# Altium PCB RS2-708_V009.PcbDoc (part 1 of 4) (continued)
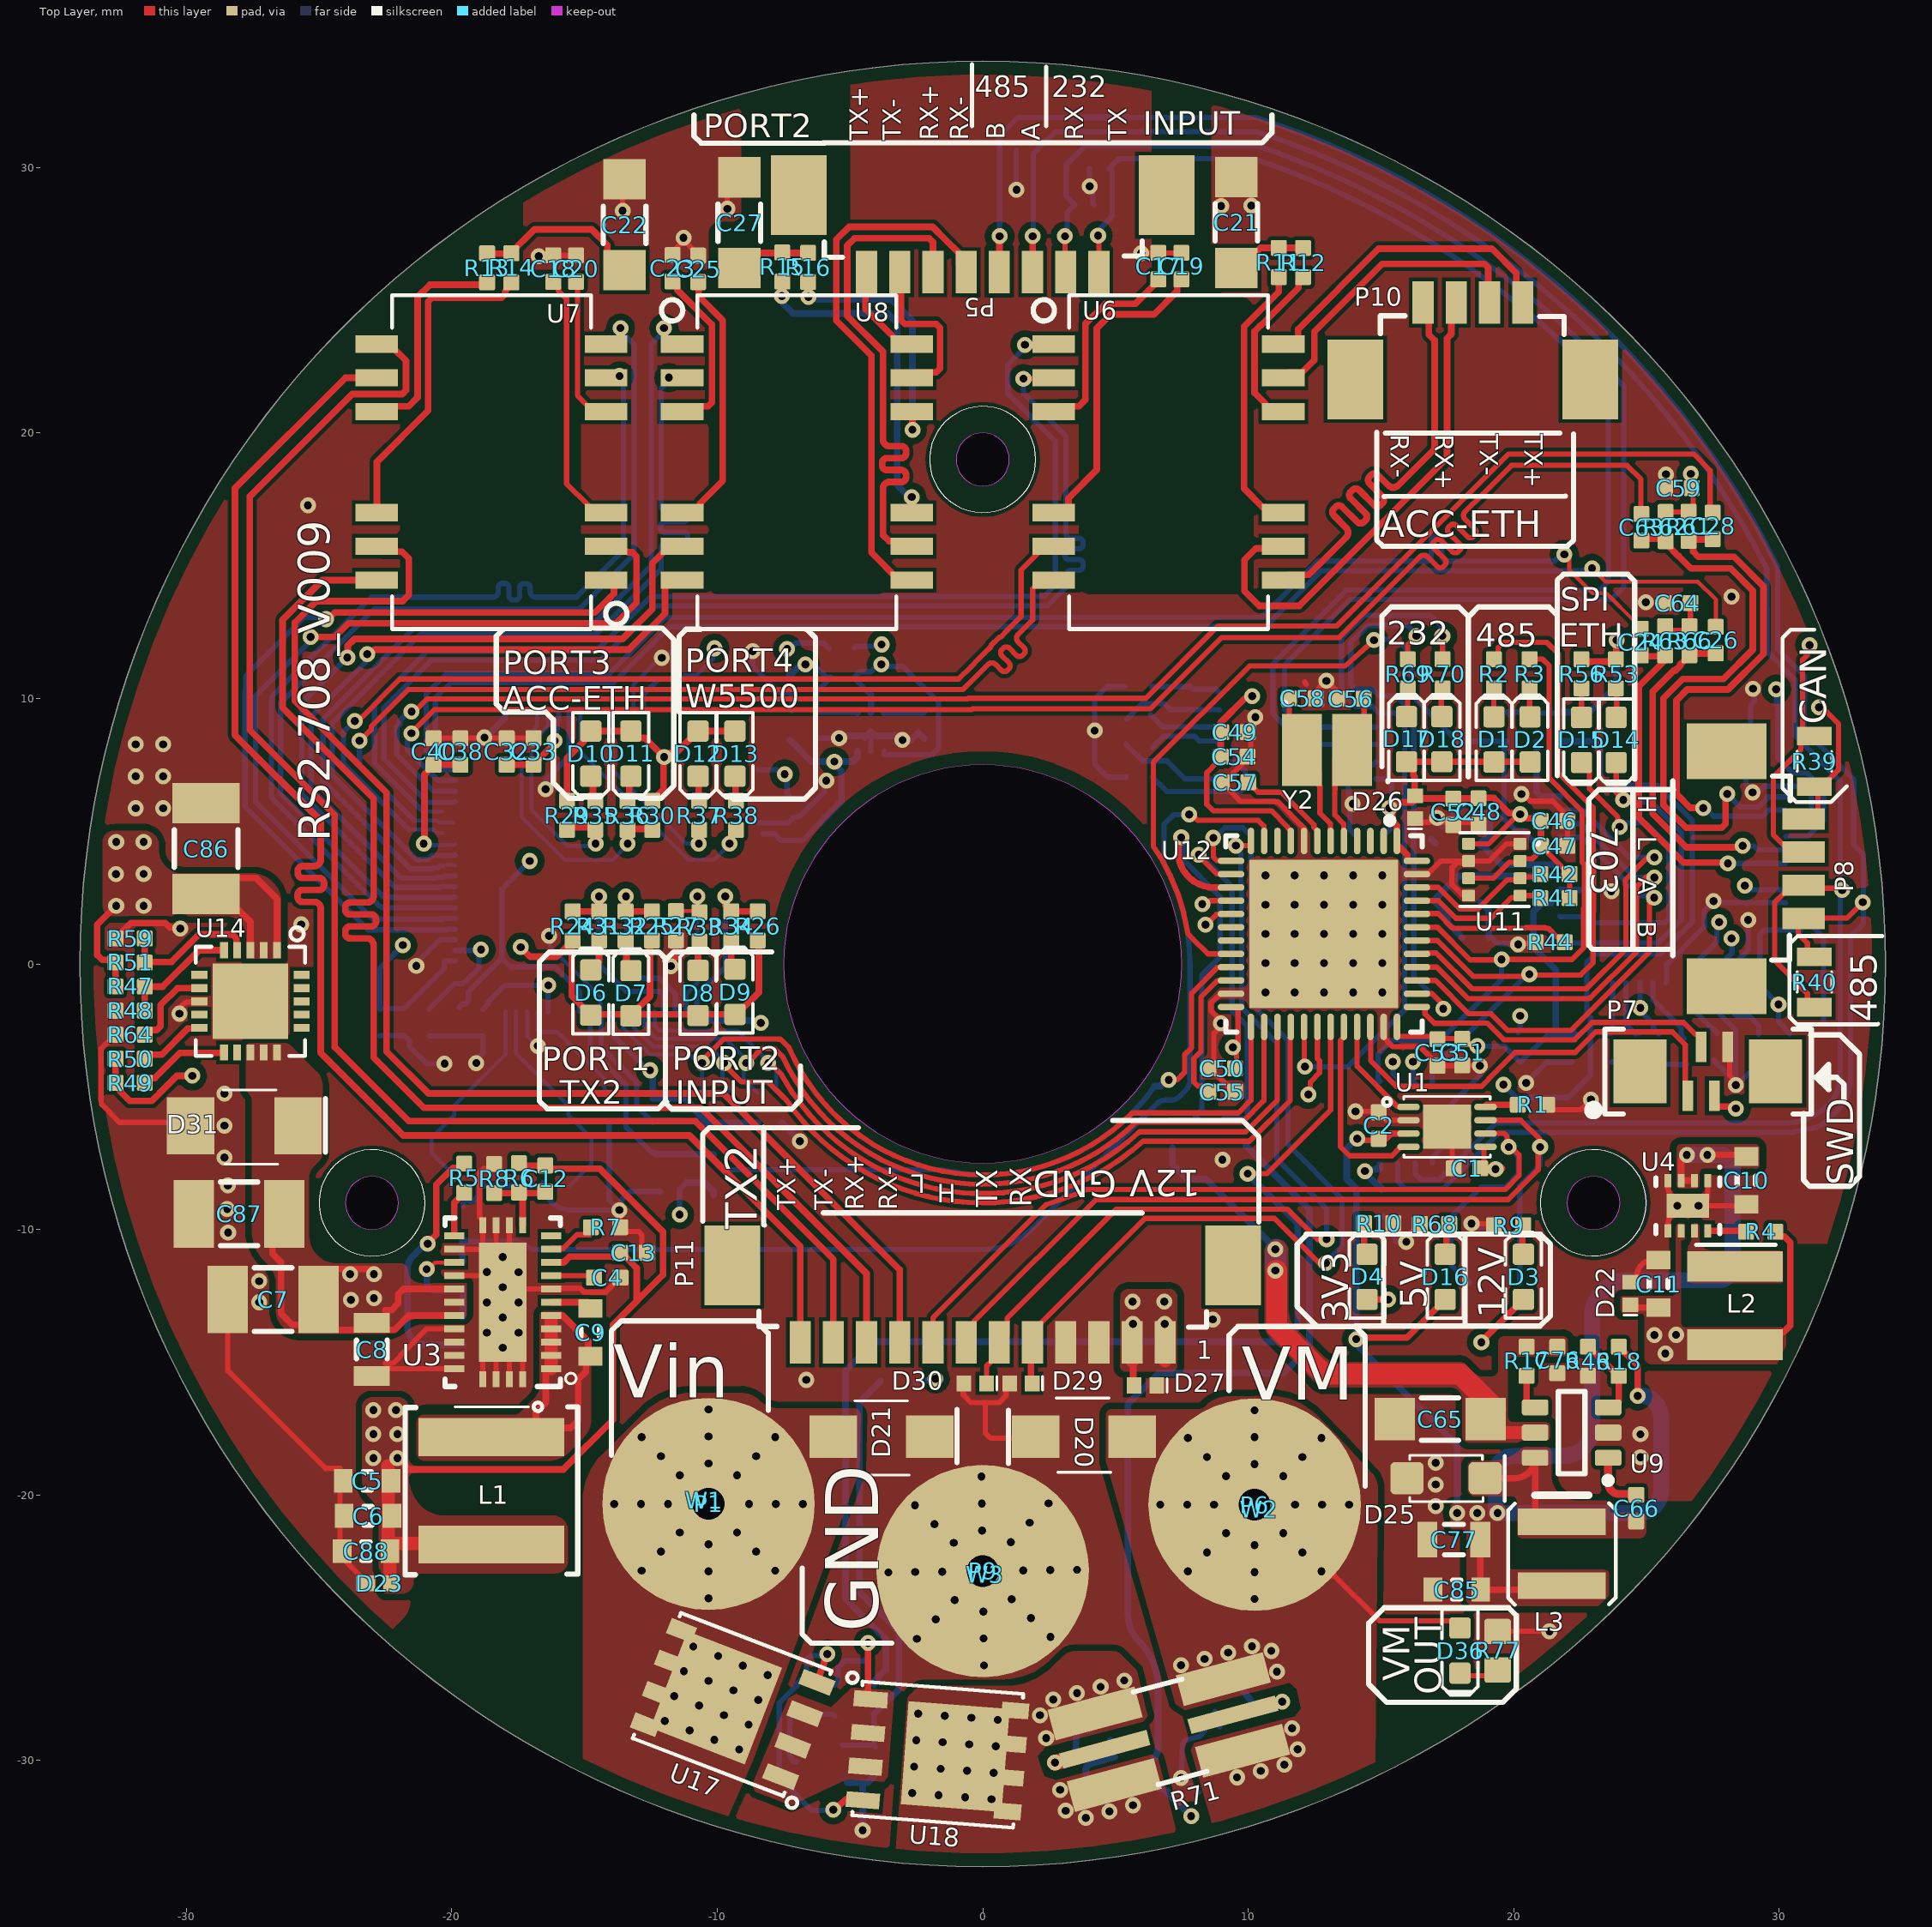
[diagram p0: Top Layer view]
## Footprints (in the part's own frame and the unit in brackets; to place one, negate y for a bottom-side part, rotate by r counter-clockwise, add the part's x,y. Pads: shape width x height; smd on the part's side, far side on the other; paste and mask are expansions set on the pad) (continued)
  rect 3.4x0.6 smd: 3(-2.5,0) 4(2.5,0)
  silkscreen extent -0.9,-1.8 1,1.8, body extent -3.23,-1.73 3.23,1.73, height 0.5
SLP1006P2T [mm]
  rect 0.55x0.6 smd mask+0.05: 1(-0.425,0) 2(0.425,0)
  silkscreen extent -0.81,-0.25 -0.81,0.25, body extent -0.51,-0.32 0.51,0.32, height 0.4
SO-8_PowerPAK#1 [mm] "Power Mosfet"
  rect 1.27x0.61 smd: 1(-2.733,1.905) 2(-2.733,0.635) 3(-2.732,-0.635) 4(-2.732,-1.905)
  rect 3.81x3.91 smd: 5(0.604,0)
  rect 1.02x0.61 smd: 5(2.733,-1.905) 6(2.733,-0.635) 7(2.732,0.635) 8(2.732,1.905)
  silkscreen extent -3.68,-2.5 2.99,2.87, body extent -3.17,-2.61 3.07,2.64, height 1.13
SO-8_PowerPAK#2 [mm] "Power Mosfet"
  rect 1.27x0.61 smd: 1(-2.732,1.905) 2(-2.732,0.635) 3(-2.732,-0.635) 4(-2.732,-1.905)
  rect 1.02x0.61 smd: 5(2.733,-1.905) 6(2.733,-0.635) 7(2.733,0.635) 8(2.732,1.905)
  rect 3.81x3.91 smd: ""(0.604,0)
  silkscreen extent -3.68,-2.5 2.99,2.87, body extent -3.17,-2.61 3.07,2.64, height 1.13
SOD523 [mm] "SODFL, 2-Leads, Body 0,80x1,60mm, IPC Medium Density"
  rect 0.65x0.4 smd: 1(-0.75,0) 2(0.75,0)
  silkscreen extent -1.3,-0.39 -1.3,0.41, body extent -0.8,-0.45 0.8,0.45, height 0.7
SOD-123F [mm]
  rrect30% 1.25x1.22 smd paste+0 mask+0: 1(-1.475,0) 2(1.475,0)
  silkscreen extent -2.21,-0.86 1.37,0.89, body extent -1.9,-0.9 1.9,0.9, height 1.02
SOD-323F [mm]
  rect 0.6x0.45 smd: 1(-1.1,0) 2(1.1,0)
  silkscreen extent -1.49,-0.7 0.5,0.7, body extent -1.28,-0.64 1.22,0.61, height 1
SOT23-6 [mm]
  rrect30% 1x0.6 smd: 1(-1.375,0.95) 2(-1.375,0) 3(-1.375,-0.95) 4(1.375,-0.95) 5(1.375,0) 6(1.375,0.95)
  silkscreen extent -1.5,-1.55 0.5,1.92, body extent -1.52,-1.52 1.53,1.53, height 1.1
SOT23-BAT54 [mm] "SOT23, 3-Leads, Body 2.90x2.27mm, Pitch 0.95mm, IPC Medium Density"
  rect 0.8x0.7 smd: 1(-1.05,0.95) 2(-1.05,-0.95)
  rect 0.9x0.7 smd: 3(1.05,0)
  silkscreen extent -1.92,-1.5 0.7,1.5, body extent -1.33,-1.5 1.33,1.5, height 1.1
ST3232ECTR [mm] "TSOP, 16-Leads, Body 5.00x4.39mm, Pitch 0.65mm, IPC Medium Density"
  rect 1.4x0.45 smd mask+0.05: 1(-2.95,2.275) 2(-2.95,1.625) 3(-2.95,0.975) 4(-2.95,0.325) 5(-2.95,-0.325) 6(-2.95,-0.975) 7(-2.95,-1.625) 8(-2.95,-2.275) 9(2.95,-2.275) 10(2.95,-1.625) 11(2.95,-0.975) 12(2.95,-0.325) 13(2.95,0.325) 14(2.95,0.975) 15(2.95,1.625) 16(2.95,2.275)
  silkscreen extent -3.07,-2.55 1.85,3.17, body extent -2.25,-2.55 2.25,2.55, height 1.2
STM-UFQFPN48_M [mm] "QFN, 48-Leads, Body 7.1x7.1mm, Pitch 0.5mm, Thermal Pad 5.6x5.6mm, IPC Low Density"
  oval 1x0.25 smd mask+0.05: 1(-3.5,2.75) 2(-3.5,2.25) 3(-3.5,1.75) 4(-3.5,1.25) 5(-3.5,0.75) 6(-3.5,0.25) 7(-3.5,-0.25) 8(-3.5,-0.75) 9(-3.5,-1.25) 10(-3.5,-1.75) 11(-3.5,-2.25) 12(-3.5,-2.75) 25(3.5,-2.75) 26(3.5,-2.25) 27(3.5,-1.75) 28(3.5,-1.25) 29(3.5,-0.75) 30(3.5,-0.25) 31(3.5,0.25) 32(3.5,0.75) 33(3.5,1.25) 34(3.5,1.75) 35(3.5,2.25) 36(3.5,2.75)
  oval 0.25x1 smd mask+0.05: 13(-2.75,-3.5) 14(-2.25,-3.5) 15(-1.75,-3.5) 16(-1.25,-3.5) 17(-0.75,-3.5) 18(-0.25,-3.5) 19(0.25,-3.5) 20(0.75,-3.5) 21(1.25,-3.5) 22(1.75,-3.5) 23(2.25,-3.5) 24(2.75,-3.5) 37(2.75,3.5) 38(2.25,3.5) 39(1.75,3.5) 40(1.25,3.5) 41(0.75,3.5) 42(0.25,3.5) 43(-0.25,3.5) 44(-0.75,3.5) 45(-1.25,3.5) 46(-1.75,3.5) 47(-2.25,3.5) 48(-2.75,3.5)
  rect 5.6x5.6 smd mask+0.05: 49(0,0)
  silkscreen extent -4.4,-3.7 3.7,3.7, body extent -3.55,-3.55 3.55,3.55, height 0.6
TDFN8_2x3_MN [mm]
  oval 0.85x0.25 smd mask+0.05: 1(-1.45,0.75) 2(-1.45,0.25) 3(-1.45,-0.25) 4(-1.45,-0.75) 5(1.45,-0.75) 6(1.45,-0.25) 7(1.45,0.25) 8(1.45,0.75)
  rect 1.8x1.65 smd mask+0.05: 9(-0.001,0.01)
  silkscreen extent -2.41,-1.15 1.63,1.14, body extent -1.53,-1.01 1.51,0.99, height 0.91
TPS6216X [mm] "SON, 8-Leads, Body 2x2mm, Pitch 0.5mm, Thermal Pad 1.6x0.9mm, TI Recommended"
  rect 0.5x0.25 smd paste-0.14 mask+0.07: 1(-0.95,0.75) 2(-0.95,0.25) 3(-0.95,-0.25) 4(-0.95,-0.75) 5(0.95,-0.75) 6(0.95,-0.25) 7(0.95,0.25) 8(0.95,0.75)
  rect 0.9x1.6 smd paste-0.45 mask+0.07: 9(0,0)
  silkscreen extent -1.5,-1.2 1.05,1.25, body extent -1.05,-1.05 1.05,1.05, height 0.8

## Part data
C1 C2 C3 C17 C18 C19 C20 C23 C24 C25 C26 C33 C34 C35 C37 C39 C40 C41 C43 C44 C45 C46 C47 C48 C49 C50 C51 C52 C57 C67 C68 C69 C70 C71 C72 C74 C78 C79 C80 C81 C82: Capacitance=100nF, Case/Package=0402, Case Code (Metric)=1005, Dielectric=X7R, Manufacturer=TDK, Manufacturer Part Number=CGA2B3X7R1H104K050BB, Max Operating Temperature=125°C, Min Operating Temperature=-55°C, Package Quantity=1, Ratings=AEC-Q200, Supplier Part Number 1=445-6899-1-ND, Tolerance=10%, Voltage=50V, Case Code (Imperial)=0402, ComponentLink1Description=http://product.tdk.com/capacitor/mlcc/en/documents/mlccspec_automotive_general_midvoltage_en.pdf?src-supplier=Future+Electronics, ComponentLink1URL=http://product.tdk.com/capacitor/mlcc/en/documents/mlccspec_automotive_general_midvoltage_en.pdf?src-supplier=Future+Electronics, ComponentLink2Description=http://www.farnell.com/datasheets/1807242.pdf?src-supplier=Element14, ComponentLink2URL=http://www.farnell.com/datasheets/1807242.pdf?src-supplier=Element14, ComponentLink3Description=http://www.mouser.com/ds/2/400/lcc_automotive_general_en-843974.pdf?src-supplier=Mouser, ComponentLink3URL=http://www.mouser.com/ds/2/400/lcc_automotive_general_en-843974.pdf?src-supplier=Mouser, ComponentLink4Description=http://www.farnell.com/datasheets/1936565.pdf?src-supplier=Element14, ComponentLink4URL=http://www.farnell.com/datasheets/1936565.pdf?src-supplier=Element14, ComponentLink5Description=http://www.farnell.com/datasheets/1735392.pdf?src-supplier=Element14, ComponentLink5URL=http://www.farnell.com/datasheets/1735392.pdf?src-supplier=Element14, Composition=Ceramic, Depth=0.5mm, Height=0.5mm, Lead Free="Lead Free", Length=1mm, Mount="Surface Mount", Packaging="Tape and Reel", REACH SVHC="No SVHC", Stock 1=14098587, Supplier 1=Digi-Key, Termination=SMD/SMT, Thickness=0.022inch, Voltage Rating=50V, Voltage Rating (DC)=50V, Weight=2.3E-05oz, Width=0.02inch
C4 C14 C15 C55: Capacitance=2.2uF, Case/Package=0402, Case Code (Metric)=1005, Dielectric=X5R, Manufacturer 1=Murata, Manufacturer Part Number 1=GRM155R61A225KE95D, Max Operating Temperature=85°C, Min Operating Temperature=-55°C, Package Quantity=10000, Supplier Part Number 1=490-10451-1-ND, Voltage Rating=10V, Case Code (Imperial)=0402, ComponentLink1Description=http://www.mouser.com/ds/2/281/c02e-2905.pdf?src-supplier=Mouser, ComponentLink1URL=http://www.mouser.com/ds/2/281/c02e-2905.pdf?src-supplier=Mouser, ComponentLink2Description=http://components.arrow.com/part/dataview/0323_04264073?src-supplier=Arrow+Europe, ComponentLink2URL=http://components.arrow.com/part/dataview/0323_04264073?src-supplier=Arrow+Europe, ComponentLink3Description=http://www.farnell.com/datasheets/1872202.pdf?src-supplier=Farnell, ComponentLink3URL=http://www.farnell.com/datasheets/1872202.pdf?src-supplier=Farnell, ComponentLink4Description=http://www.farnell.com/datasheets/2047915.pdf?src-supplier=Farnell, ComponentLink4URL=http://www.farnell.com/datasheets/2047915.pdf?src-supplier=Farnell, ComponentLink5Description=http://www.farnell.com/datasheets/1872202.pdf?src-supplier=Element14, ComponentLink5URL=http://www.farnell.com/datasheets/1872202.pdf?src-supplier=Element14, ComponentLink6Description=https://search.murata.co.jp/Ceramy/image/img/A01X/G101/ENG/GRM155R61A225KE95-01.pdf?src-supplier=Digi-Key, ComponentLink6URL=https://search.murata.co.jp/Ceramy/image/img/A01X/G101/ENG/GRM155R61A225KE95-01.pdf?src-supplier=Digi-Key, ComponentLink7Description=http://www.farnell.com/datasheets/1872202.pdf?src-supplier=Newark, ComponentLink7URL=http://www.farnell.com/datasheets/1872202.pdf?src-supplier=Newark, ComponentLink8Description=http://psearch.en.murata.com/capacitor/product/GRM155R61A225KE95%23.pdf?src-supplier=Avnet, ComponentLink8URL=http://psearch.en.murata.com/capacitor/product/GRM155R61A225KE95%23.pdf?src-supplier=Avnet, ComponentLink9Description=http://www.farnell.com/datasheets/2047915.pdf?src-supplier=Element14, ComponentLink9URL=http://www.farnell.com/datasheets/2047915.pdf?src-supplier=Element14, ComponentLink10Description=http://www.farnell.com/datasheets/2047915.pdf?src-supplier=Newark, ComponentLink10URL=http://www.farnell.com/datasheets/2047915.pdf?src-supplier=Newark, Depth=0.5mm, Height=0.5mm, Lead Free="Lead Free", Length=1mm, Material=Ceramic, Mount="Surface Mount", Packaging="Tape and Reel", Pricing 1="1=0,11000, 10=0,08100, 100=0,03800, 500=0,02664, 1000=0,02205, 2500=0,02052, 5000=0,01878 (USD)", REACH SVHC="No SVHC", RoHS=Yes, Stock 1=815357, Supplier 1=Digi-Key, Termination=SMD/SMT, Thickness=0.022inch, Voltage Rating (DC)=10V, Weight=0.000212oz, Width=0.5mm
C5 C9: Capacitance=470nF, Case/Package=0603, Case Code (Metric)=1608, Dielectric=X7R, Dielectric Material=Ceramic, Manufacturer 1=TDK, Manufacturer Part Number 1=C1608X7R1H474K080AC, Max Operating Temperature=125°C, Min Operating Temperature=-55°C, Package Quantity=4000, Supplier Part Number 1=445-5952-1-ND, Voltage Rating=50V, Case Code (Imperial)=0603, ComponentLink1Description=https://datasheet.ciiva.com/28693/1735394-28693461.pdf?src-supplier=Element14, ComponentLink1URL=https://datasheet.ciiva.com/28693/1735394-28693461.pdf?src-supplier=Element14, ComponentLink2Description=https://datasheet.ciiva.com/6290/tdkmlcccaprange-6290870.pdf?src-supplier=Digi-Key, ComponentLink2URL=https://datasheet.ciiva.com/6290/tdkmlcccaprange-6290870.pdf?src-supplier=Digi-Key, ComponentLink3Description=https://datasheet.ciiva.com/22718/1904212-22718022.pdf?src-supplier=Element14, ComponentLink3URL=https://datasheet.ciiva.com/22718/1904212-22718022.pdf?src-supplier=Element14, ComponentLink4Description=https://datasheet.ciiva.com/28451/1904212-28451367.pdf?src-supplier=Element14, ComponentLink4URL=https://datasheet.ciiva.com/28451/1904212-28451367.pdf?src-supplier=Element14, ComponentLink5Description=https://datasheet.ciiva.com/6290/tdkmlcccaprange-6290878.pdf?src-supplier=Digi-Key, ComponentLink5URL=https://datasheet.ciiva.com/6290/tdkmlcccaprange-6290878.pdf?src-supplier=Digi-Key, ComponentLink6Description=https://datasheet.ciiva.com/6290/tdkmlcccaprange-6290874.pdf?src-supplier=Digi-Key, ComponentLink6URL=https://datasheet.ciiva.com/6290/tdkmlcccaprange-6290874.pdf?src-supplier=Digi-Key, ComponentLink7Description=https://datasheet.ciiva.com/17487/e412-c-17487386.pdf?src-supplier=Avnet+Europe, ComponentLink7URL=https://datasheet.ciiva.com/17487/e412-c-17487386.pdf?src-supplier=Avnet+Europe, ComponentLink8Description=https://datasheet.ciiva.com/16427/e412-c-16427759.pdf?src-supplier=Future+Electronics, ComponentLink8URL=https://datasheet.ciiva.com/16427/e412-c-16427759.pdf?src-supplier=Future+Electronics, Composition=Ceramic, Depth=0.8mm, Height=0.8mm, Lead Free="Lead Free", Length=1.6mm, Mount="Surface Mount", Packaging="Tape and Reel", Pricing 1="1=0,28000, 10=0,19000, 100=0,10750, 500=0,07590, 1000=0,06641 (USD)", Radiation Hardening=No, REACH SVHC="No SVHC", RoHS=Yes, Stock 1=221204, Supplier 1=Digi-Key, Termination=SMD/SMT, Thickness=0.037inch, Voltage Rating (DC)=50V, Weight=7.1E-05oz, Width=0.031inch
C6 C10 C31: Capacitance=10uF, Case/Package=0603, Case Code (Metric)=1608, Dielectric=X5R, Manufacturer=Murata, Manufacturer Part Number=GRM188R61E106MA73J, Max Operating Temperature=85°C, Min Operating Temperature=-55°C, Package Quantity=10000, Supplier Part Number 1=490-12737-1-ND, Tolerance=20%, Voltage Rating=25V, Case Code (Imperial)=0603, Component Type="Capacitor Ceramic", Composition=Ceramic, Height=0.8mm, Length=0.063inch, Mount="Surface Mount", Packaging="Tape and Reel", Stock 1=57764, Supplier 1=Digi-Key, Termination=SMD/SMT, Thickness=0.039inch, Voltage Rating (DC)=25V, Weight=0.000222oz, Width=0.031inch
C7: Capacitance=4.7uF, Case/Package=1210, Case Code (Metric)=3225, Dielectric=X7S, Manufacturer 1=TDK, Manufacturer Part Number 1=CGA6M3X7S2A475K200AB, Max Operating Temperature=125°C, Min Operating Temperature=-55°C, Package Quantity=1, Ratings=AEC-Q200, Supplier Part Number 1=445-7005-1-ND, Tolerance=10%, Voltage Rating=100V, Case Code (Imperial)=1210, ComponentLink1Description=https://datasheet.ciiva.com/24216/cga6m3x7s2a475k200ab-266278-24216372.pdf?src-supplier=Mouser, ComponentLink1URL=https://datasheet.ciiva.com/24216/cga6m3x7s2a475k200ab-266278-24216372.pdf?src-supplier=Mouser, ComponentLink2Description=https://datasheet.ciiva.com/26834/getdatasheetpartid-745136-26834554.pdf?src-supplier=Verical, ComponentLink2URL=https://datasheet.ciiva.com/26834/getdatasheetpartid-745136-26834554.pdf?src-supplier=Verical, ComponentLink3Description=https://datasheet.ciiva.com/8079/1807242-8079367.pdf?src-supplier=Element14, ComponentLink3URL=https://datasheet.ciiva.com/8079/1807242-8079367.pdf?src-supplier=Element14, ComponentLink4Description=https://datasheet.ciiva.com/28620/1735406-28620711.pdf?src-supplier=Element14, ComponentLink4URL=https://datasheet.ciiva.com/28620/1735406-28620711.pdf?src-supplier=Element14, ComponentLink5Description=https://datasheet.ciiva.com/22725/1735406-22725662.pdf?src-supplier=Element14, ComponentLink5URL=https://datasheet.ciiva.com/22725/1735406-22725662.pdf?src-supplier=Element14, Composition=Ceramic, Depth=2.5mm, Height=2mm, Lead Free="Lead Free", Length=3.2mm, Mount="Surface Mount", Packaging="Tape and Reel", Pricing 1="1=1,38000, 10=1,08700, 100=0,81510, 500=0,61582 (USD)", Radiation Hardening=No, REACH SVHC="No SVHC", RoHS=Yes, Stock 1=314039, Supplier 1=Digi-Key, Termination=SMD/SMT, Thickness=0.087inch, Voltage Rating (DC)=100V, Weight=0.000564oz, Width=0.098inch
C8: Capacitance=470nF, Case/Package=0805, Case Code (Metric)=2012, Dielectric=X7R, Manufacturer 1=Murata, Manufacturer Part Number 1=GRM21BR72A474KA73L, Max Operating Temperature=125°C, Min Operating Temperature=-55°C, Package Quantity=1, Supplier Part Number 1=490-3326-1-ND, Voltage Rating=100V, Case Code (Imperial)=0805, ComponentLink1Description=https://datasheet.ciiva.com/140/grm21br72a474ka73-140555.pdf?src-supplier=Digi-Key, ComponentLink1URL=https://datasheet.ciiva.com/140/grm21br72a474ka73-140555.pdf?src-supplier=Digi-Key, ComponentLink2Description=https://datasheet.ciiva.com/3777/247grm21br72a474ka7323-3777925.pdf?src-supplier=Arrow, ComponentLink2URL=https://datasheet.ciiva.com/3777/247grm21br72a474ka7323-3777925.pdf?src-supplier=Arrow, ComponentLink3Description=https://datasheet.ciiva.com/140/grm21br72a474ka73-140556.pdf?src-supplier=Digi-Key, ComponentLink3URL=https://datasheet.ciiva.com/140/grm21br72a474ka73-140556.pdf?src-supplier=Digi-Key, ComponentLink4Description=https://datasheet.ciiva.com/11621/product-11621821.pdf?src-supplier=Avnet, ComponentLink4URL=https://datasheet.ciiva.com/11621/product-11621821.pdf?src-supplier=Avnet, ComponentLink5Description=https://datasheet.ciiva.com/16440/product-16440636.pdf?src-supplier=Future+Electronics, ComponentLink5URL=https://datasheet.ciiva.com/16440/product-16440636.pdf?src-supplier=Future+Electronics, Depth=1.25mm, Height=1.25mm, Lead Free="Lead Free", Length=2mm, Material=Ceramic, Mount="Surface Mount", Packaging="Tape and Reel", Pricing 1="1=0,73000, 10=0,51300, 100=0,33770, 500=0,25016, 1000=0,21264 (USD)", Radiation Hardening=No, REACH SVHC="No SVHC", RoHS=Yes, Stock 1=259019, Supplier 1=Digi-Key, Termination=SMD/SMT, Thickness=0.053inch, Voltage Rating (DC)=100V, Width=1.25mm
C11: Capacitance=22uF, Case/Package=0603, Case Code (Metric)=1608, Manufacturer=Samsung, Manufacturer Part Number=CL10A226MO7JZNC, Max Operating Temperature=85°C, Min Operating Temperature=-55°C, Supplier Part Number 1=1276-7076-1-ND, Tolerance=20%, Voltage Rating=16V, Case Code (Imperial)=0603, Component Type="Capacitor Ceramic", Mount="Surface Mount", Packaging="Tape and Reel", Stock 1=269638, Supplier 1=Digi-Key
C12: Capacitance=3.3pF, Case/Package=0402, Case Code (Metric)=1005, Dielectric=C0G, Manufacturer 1=Murata, Manufacturer Part Number 1=GJM1555C1H3R3CB01D, Max Operating Temperature=125°C, Min Operating Temperature=-55°C, Package Quantity=1, Supplier Part Number 1=490-3095-1-ND, Voltage Rating=50V, Case Code (Imperial)=0402, ComponentLink1Description=https://datasheet.ciiva.com/17453/product-17453499.pdf?src-supplier=Avnet+Europe, ComponentLink1URL=https://datasheet.ciiva.com/17453/product-17453499.pdf?src-supplier=Avnet+Europe, ComponentLink2Description=https://datasheet.ciiva.com/18183/getdatasheetpartid-137633-18183838.pdf?src-supplier=Verical, ComponentLink2URL=https://datasheet.ciiva.com/18183/getdatasheetpartid-137633-18183838.pdf?src-supplier=Verical, ComponentLink3Description=https://datasheet.ciiva.com/132/partnumbering-e-01-132447.pdf?src-supplier=Digi-Key, ComponentLink3URL=https://datasheet.ciiva.com/132/partnumbering-e-01-132447.pdf?src-supplier=Digi-Key, ComponentLink4Description=https://datasheet.ciiva.com/16218/l0005e-16218053.pdf?src-supplier=Future+Electronics, ComponentLink4URL=https://datasheet.ciiva.com/16218/l0005e-16218053.pdf?src-supplier=Future+Electronics, ComponentLink5Description=https://datasheet.ciiva.com/132/partnumbering-e-01-132445.pdf?src-supplier=Digi-Key, ComponentLink5URL=https://datasheet.ciiva.com/132/partnumbering-e-01-132445.pdf?src-supplier=Digi-Key, ComponentLink6Description=https://datasheet.ciiva.com/132/partnumbering-e-01-132446.pdf?src-supplier=Digi-Key, ComponentLink6URL=https://datasheet.ciiva.com/132/partnumbering-e-01-132446.pdf?src-supplier=Digi-Key, Depth=0.5mm, Height=0.5mm, Lead Free="Lead Free", Length=1mm, Mount="Surface Mount", Packaging="Tape and Reel", Pricing 1="1=0,12000, 10=0,08200, 100=0,03850, 500=0,02700, 1000=0,02236, 2500=0,02081, 5000=0,01904 (USD)", Radiation Hardening=No, RoHS=Yes, Stock 1=305012, Supplier 1=Digi-Key, Termination=SMD/SMT, Thickness=0.022inch, Voltage Rating (DC)=50V, Width=0.5mm
C13: Capacitance=1uF, Case Code (Imperial)=0402, Case Code (Metric)=1005, Manufacturer 1=Murata, Manufacturer Part Number 1=GRM155R6YA105KE11D, Max Operating Temperature=85°C, Min Operating Temperature=-55°C, Supplier Part Number 1=490-10019-1-ND, Voltage Rating=35V, Case/Package=0402, ComponentLink1Description=http://search.murata.co.jp/Ceramy/image/img/A01X/G101/ENG/GRM155R6YA105KE11-01.pdf?src-supplier=Digi-Key, ComponentLink1URL=http://search.murata.co.jp/Ceramy/image/img/A01X/G101/ENG/GRM155R6YA105KE11-01.pdf?src-supplier=Digi-Key, ComponentLink2Description=http://psearch.en.murata.com/capacitor/product/GRM155R6YA105KE11%23.pdf?src-supplier=Avnet, ComponentLink2URL=http://psearch.en.murata.com/capacitor/product/GRM155R6YA105KE11%23.pdf?src-supplier=Avnet, Length=0.039inch, Mount="Surface Mount", Packaging="Tape and Reel", Pricing 1="1=0,26000, 10=0,18100, 100=0,10280, 500=0,07258, 1000=0,06350, 2500=0,06048, 5000=0,05594 (USD)", RoHS=Yes, Stock 1=441965, Supplier 1=Digi-Key, Thickness=0.024inch, Voltage Rating (DC)=35V, Width=0.02inch
C16 C64 C75: Capacitance=10nF, Case/Package=0402, Case Code (Metric)=1005, Dielectric=X7R, Manufacturer 1=Murata, Manufacturer Part Number 1=GCM155R71H103KA55D, Max Operating Temperature=125°C, Min Operating Temperature=-55°C, Package Quantity=1, Ratings=AEC-Q200, Supplier Part Number 1=490-4762-1-ND, Voltage Rating=50V, Case Code (Imperial)=0402, ComponentLink1Description=https://datasheet.ciiva.com/16199/product-16199584.pdf?src-supplier=Future+Electronics, ComponentLink1URL=https://datasheet.ciiva.com/16199/product-16199584.pdf?src-supplier=Future+Electronics, ComponentLink2Description=https://datasheet.ciiva.com/18100/getdatasheetpartid-27433-18100656.pdf?src-supplier=Verical, ComponentLink2URL=https://datasheet.ciiva.com/18100/getdatasheetpartid-27433-18100656.pdf?src-supplier=Verical, ComponentLink3Description=https://datasheet.ciiva.com/11787/0900766b80ef92d0-11787082.pdf?src-supplier=RSComponents, ComponentLink3URL=https://datasheet.ciiva.com/11787/0900766b80ef92d0-11787082.pdf?src-supplier=RSComponents, ComponentLink4Description=https://datasheet.ciiva.com/130/product-130683.pdf?src-supplier=Digi-Key, ComponentLink4URL=https://datasheet.ciiva.com/130/product-130683.pdf?src-supplier=Digi-Key, ComponentLink5Description=https://datasheet.ciiva.com/130/product-130682.pdf?src-supplier=Digi-Key, ComponentLink5URL=https://datasheet.ciiva.com/130/product-130682.pdf?src-supplier=Digi-Key, ComponentLink6Description=https://datasheet.ciiva.com/130/product-130684.pdf?src-supplier=Digi-Key, ComponentLink6URL=https://datasheet.ciiva.com/130/product-130684.pdf?src-supplier=Digi-Key, ComponentLink7Description=https://datasheet.ciiva.com/2989/product-2989235.pdf?src-supplier=Avnet, ComponentLink7URL=https://datasheet.ciiva.com/2989/product-2989235.pdf?src-supplier=Avnet, ComponentLink8Description=https://datasheet.ciiva.com/16624/product-16624550.pdf?src-supplier=Avnet+Europe, ComponentLink8URL=https://datasheet.ciiva.com/16624/product-16624550.pdf?src-supplier=Avnet+Europe, Depth=0.5mm, Height=0.5mm, Lead Free="Lead Free", Length=1mm, Mount="Surface Mount", Packaging="Tape and Reel", Pricing 1="1=0,10000, 10=0,04400, 100=0,01980, 500=0,01412, 1000=0,01109, 2500=0,01008, 5000=0,00927 (USD)", Radiation Hardening=No, REACH SVHC="No SVHC", RoHS=Yes, Stock 1=20325180, Supplier 1=Digi-Key, Termination=SMD/SMT, Thickness=0.022inch, Voltage Rating (DC)=50V, Width=0.02inch
C21 C22 C27: Capacitance=1nF, Case/Package=1206, Dielectric=X7R, Dielectric Material=Ceramic, Max Operating Temperature=125°C, Min Operating Temperature=-55°C, Supplier Part Number 1=399-4819-1-ND, Voltage Rating (DC)=2kV, ComponentLink1Description=http://www.farnell.com/datasheets/1807957.pdf?src-supplier=Element14, ComponentLink1URL=http://www.farnell.com/datasheets/1807957.pdf?src-supplier=Element14, ComponentLink2Description=https://www.verical.com/server-webapp/html/getDatasheet?partID=359031&src-supplier=Verical, ComponentLink2URL=https://www.verical.com/server-webapp/html/getDatasheet?partID=359031&src-supplier=Verical, ComponentLink3Description=http://www.farnell.com/datasheets/1372242.pdf?src-supplier=Element14, ComponentLink3URL=http://www.farnell.com/datasheets/1372242.pdf?src-supplier=Element14, Depth=1.6mm, Height=1.6mm, Length=3.2mm, Mount="Surface Mount", Packaging="Tape and Reel", Radiation Hardening=No, Stock 1=192377, Supplier 1=Digi-Key
C28 C63 C66 C84: Capacitance=100nF, Case Code (Imperial)=0402, Case Code (Metric)=1005, Dielectric=X7R, Manufacturer=TDK, Manufacturer Part Number=CGA2B3X7R1H104K050BB, Max Operating Temperature=125°C, Min Operating Temperature=-55°C, Package Quantity=1, Ratings=AEC-Q200, Supplier Part Number 1=445-6899-1-ND, Tolerance=10%, Voltage=50V, Case/Package=0402, ComponentLink1Description=http://product.tdk.com/capacitor/mlcc/en/documents/mlccspec_automotive_general_midvoltage_en.pdf?src-supplier=Future+Electronics, ComponentLink1URL=http://product.tdk.com/capacitor/mlcc/en/documents/mlccspec_automotive_general_midvoltage_en.pdf?src-supplier=Future+Electronics, ComponentLink2Description=http://www.farnell.com/datasheets/1807242.pdf?src-supplier=Element14, ComponentLink2URL=http://www.farnell.com/datasheets/1807242.pdf?src-supplier=Element14, ComponentLink3Description=http://www.mouser.com/ds/2/400/lcc_automotive_general_en-843974.pdf?src-supplier=Mouser, ComponentLink3URL=http://www.mouser.com/ds/2/400/lcc_automotive_general_en-843974.pdf?src-supplier=Mouser, ComponentLink4Description=http://www.farnell.com/datasheets/1936565.pdf?src-supplier=Element14, ComponentLink4URL=http://www.farnell.com/datasheets/1936565.pdf?src-supplier=Element14, ComponentLink5Description=http://www.farnell.com/datasheets/1735392.pdf?src-supplier=Element14, ComponentLink5URL=http://www.farnell.com/datasheets/1735392.pdf?src-supplier=Element14, Composition=Ceramic, Depth=0.5mm, Height=0.5mm, Lead Free="Lead Free", Length=1mm, Mount="Surface Mount", Packaging="Tape and Reel", REACH SVHC="No SVHC", Stock 1=14098587, Supplier 1=Digi-Key, Termination=SMD/SMT, Thickness=0.022inch, Voltage Rating=50V, Voltage Rating (DC)=50V, Weight=2.3E-05oz, Width=0.02inch
C29 C30: Capacitance=22pF, Case/Package=0402, Case Code (Metric)=1005, Dielectric=C0G, Manufacturer 1=Murata, Manufacturer Part Number 1=GRM1555C1H220FA01D, Max Operating Temperature=125°C, Min Operating Temperature=-55°C, Package Quantity=1, Supplier Part Number 1=490-8589-1-ND, Voltage Rating=50V, Case Code (Imperial)=0402, ComponentLink1Description=https://datasheet.ciiva.com/11789/0900766b80ef921d-11789137.pdf?src-supplier=RSComponents, ComponentLink1URL=https://datasheet.ciiva.com/11789/0900766b80ef921d-11789137.pdf?src-supplier=RSComponents, ComponentLink2Description=https://datasheet.ciiva.com/29536/partnumbering-e-01-29536087.pdf?src-supplier=Digi-Key, ComponentLink2URL=https://datasheet.ciiva.com/29536/partnumbering-e-01-29536087.pdf?src-supplier=Digi-Key, ComponentLink3Description=https://datasheet.ciiva.com/29534/partnumbering-e-01-29534686.pdf?src-supplier=Digi-Key, ComponentLink3URL=https://datasheet.ciiva.com/29534/partnumbering-e-01-29534686.pdf?src-supplier=Digi-Key, ComponentLink4Description=https://datasheet.ciiva.com/29536/partnumbering-e-01-29536088.pdf?src-supplier=Digi-Key, ComponentLink4URL=https://datasheet.ciiva.com/29536/partnumbering-e-01-29536088.pdf?src-supplier=Digi-Key, Depth=0.5mm, Height=0.5mm, Lead Free="Lead Free", Length=1mm, Material=Ceramic, Mount="Surface Mount", Packaging="Tape and Reel", Pricing 1="1=0,10000, 10=0,07400, 100=0,03290, 500=0,02348, 1000=0,01845, 2500=0,01678, 5000=0,01543 (USD)", Radiation Hardening=No, REACH SVHC="No SVHC", RoHS=Yes, Stock 1=1227141, Supplier 1=Digi-Key, Termination=SMD/SMT, Thickness=0.022inch, Voltage Rating (DC)=50V, Width=0.5mm
C32 C36 C38 C42 C53 C62 C73: Capacitance=4.7uF, Case/Package=0402, Case Code (Metric)=1005, Manufacturer 1=Samsung, Manufacturer Part Number 1=CL05A475MO5NUNC, Max Operating Temperature=85°C, Min Operating Temperature=-55°C, Supplier Part Number 1=1276-6836-1-ND, Voltage Rating=16V, Case Code (Imperial)=0402, ComponentLink1Description=http://www.samsungsem.com/kr/support/product-search/mlcc/CL05A475MO5NUNC.jsp?src-supplier=Digi-Key, ComponentLink1URL=http://www.samsungsem.com/kr/support/product-search/mlcc/CL05A475MO5NUNC.jsp?src-supplier=Digi-Key, Length=0.039inch, Mount="Surface Mount", Packaging="Tape and Reel", Pricing 1="1=0,41000, 10=0,29200, 100=0,19210, 500=0,14232, 1000=0,12097, 2500=0,11386, 5000=0,10674 (USD)", RoHS=Yes, Stock 1=2288634, Supplier 1=Digi-Key, Thickness=0.022inch, Width=0.02inch
C54: Capacitance=1uF, Case/Package=0402, Case Code (Metric)=1005, Manufacturer 1=Murata, Manufacturer Part Number 1=GRM155R6YA105KE11D, Max Operating Temperature=85°C, Min Operating Temperature=-55°C, Supplier Part Number 1=490-10019-1-ND, Voltage Rating=35V, Case Code (Imperial)=0402, ComponentLink1Description=http://search.murata.co.jp/Ceramy/image/img/A01X/G101/ENG/GRM155R6YA105KE11-01.pdf?src-supplier=Digi-Key, ComponentLink1URL=http://search.murata.co.jp/Ceramy/image/img/A01X/G101/ENG/GRM155R6YA105KE11-01.pdf?src-supplier=Digi-Key, ComponentLink2Description=http://psearch.en.murata.com/capacitor/product/GRM155R6YA105KE11%23.pdf?src-supplier=Avnet, ComponentLink2URL=http://psearch.en.murata.com/capacitor/product/GRM155R6YA105KE11%23.pdf?src-supplier=Avnet, Length=0.039inch, Mount="Surface Mount", Packaging="Tape and Reel", Pricing 1="1=0,26000, 10=0,18100, 100=0,10280, 500=0,07258, 1000=0,06350, 2500=0,06048, 5000=0,05594 (USD)", RoHS=Yes, Stock 1=441965, Supplier 1=Digi-Key, Thickness=0.024inch, Voltage Rating (DC)=35V, Width=0.02inch
C56 C58: "CAP CER 6PF 100V C0G/NP0 0402", Capacitance=6pF, Case Code (Imperial)=0402, Case Code (Metric)=1005, Manufacturer 1=KEMET, Manufacturer Part Number 1=CBR04C609B1GAC, Max Operating Temperature=125°C, Min Operating Temperature=-55°C, Package Quantity=1, Supplier Part Number 1=399-8610-1-ND, Voltage Rating=100V, Case/Package=0402, Category="Ceramic Capacitors", ComponentLink1Description=https://datasheet.ciiva.com/6257/kem-c1030-cbr-smd-6257478.pdf?src-supplier=Digi-Key, ComponentLink1URL=https://datasheet.ciiva.com/6257/kem-c1030-cbr-smd-6257478.pdf?src-supplier=Digi-Key, ComponentLink2Description=https://datasheet.ciiva.com/6257/kem-c1030-cbr-smd-6257482.pdf?src-supplier=Digi-Key, ComponentLink2URL=https://datasheet.ciiva.com/6257/kem-c1030-cbr-smd-6257482.pdf?src-supplier=Digi-Key, Length=0.039inch, Mount="Surface Mount", Packaging="Tape and Reel", Pricing 1="1=0,34000, 10=0,23300, 50=0,15540, 100=0,13200, 500=0,09320, 1000=0,08154, 2500=0,07766, 5000=0,07184 (USD)", RoHS=Yes, RoHS Compliant=Yes, Series=CBR, Stock 1=20446, Supplier 1=Digi-Key, Thickness=0.022inch, Voltage Rating (DC)=100V, Width=0.02inch
C59: Capacitance=22nF, Case/Package=0402, Case Code (Metric)=1005, Dielectric=X7R, Manufacturer 1=Murata, Manufacturer Part Number 1=GCM155R71H223KA55D, Max Operating Temperature=125°C, Min Operating Temperature=-55°C, Package Quantity=10000, Ratings=AEC-Q200, Supplier Part Number 1=490-4763-1-ND, Voltage Rating=50V, Case Code (Imperial)=0402, ComponentLink1Description=https://datasheet.ciiva.com/155/product-155891.pdf?src-supplier=Digi-Key, ComponentLink1URL=https://datasheet.ciiva.com/155/product-155891.pdf?src-supplier=Digi-Key, ComponentLink2Description=https://datasheet.ciiva.com/155/product-155890.pdf?src-supplier=Digi-Key, ComponentLink2URL=https://datasheet.ciiva.com/155/product-155890.pdf?src-supplier=Digi-Key, ComponentLink3Description=https://datasheet.ciiva.com/16199/product-16199333.pdf?src-supplier=Future+Electronics, ComponentLink3URL=https://datasheet.ciiva.com/16199/product-16199333.pdf?src-supplier=Future+Electronics, ComponentLink4Description=https://datasheet.ciiva.com/155/product-155892.pdf?src-supplier=Digi-Key, ComponentLink4URL=https://datasheet.ciiva.com/155/product-155892.pdf?src-supplier=Digi-Key, ComponentLink5Description=https://datasheet.ciiva.com/16624/product-16624552.pdf?src-supplier=Avnet+Europe, ComponentLink5URL=https://datasheet.ciiva.com/16624/product-16624552.pdf?src-supplier=Avnet+Europe, Depth=0.5mm, Height=0.5mm, Lead Free="Lead Free", Length=1mm, Mount="Surface Mount", Packaging="Tape and Reel", Pricing 1="1=0,11000, 10=0,07700, 100=0,03450, 500=0,02462, 1000=0,01935, 2500=0,01759, 5000=0,01618 (USD)", Radiation Hardening=No, RoHS=Yes, Stock 1=1693651, Supplier 1=Digi-Key, Termination=SMD/SMT, Thickness=0.022inch, Voltage Rating (DC)=50V, Width=0.02inch